# Altium PCB Copy of drac_v3.PcbDoc (part 1 of 5) (continued)
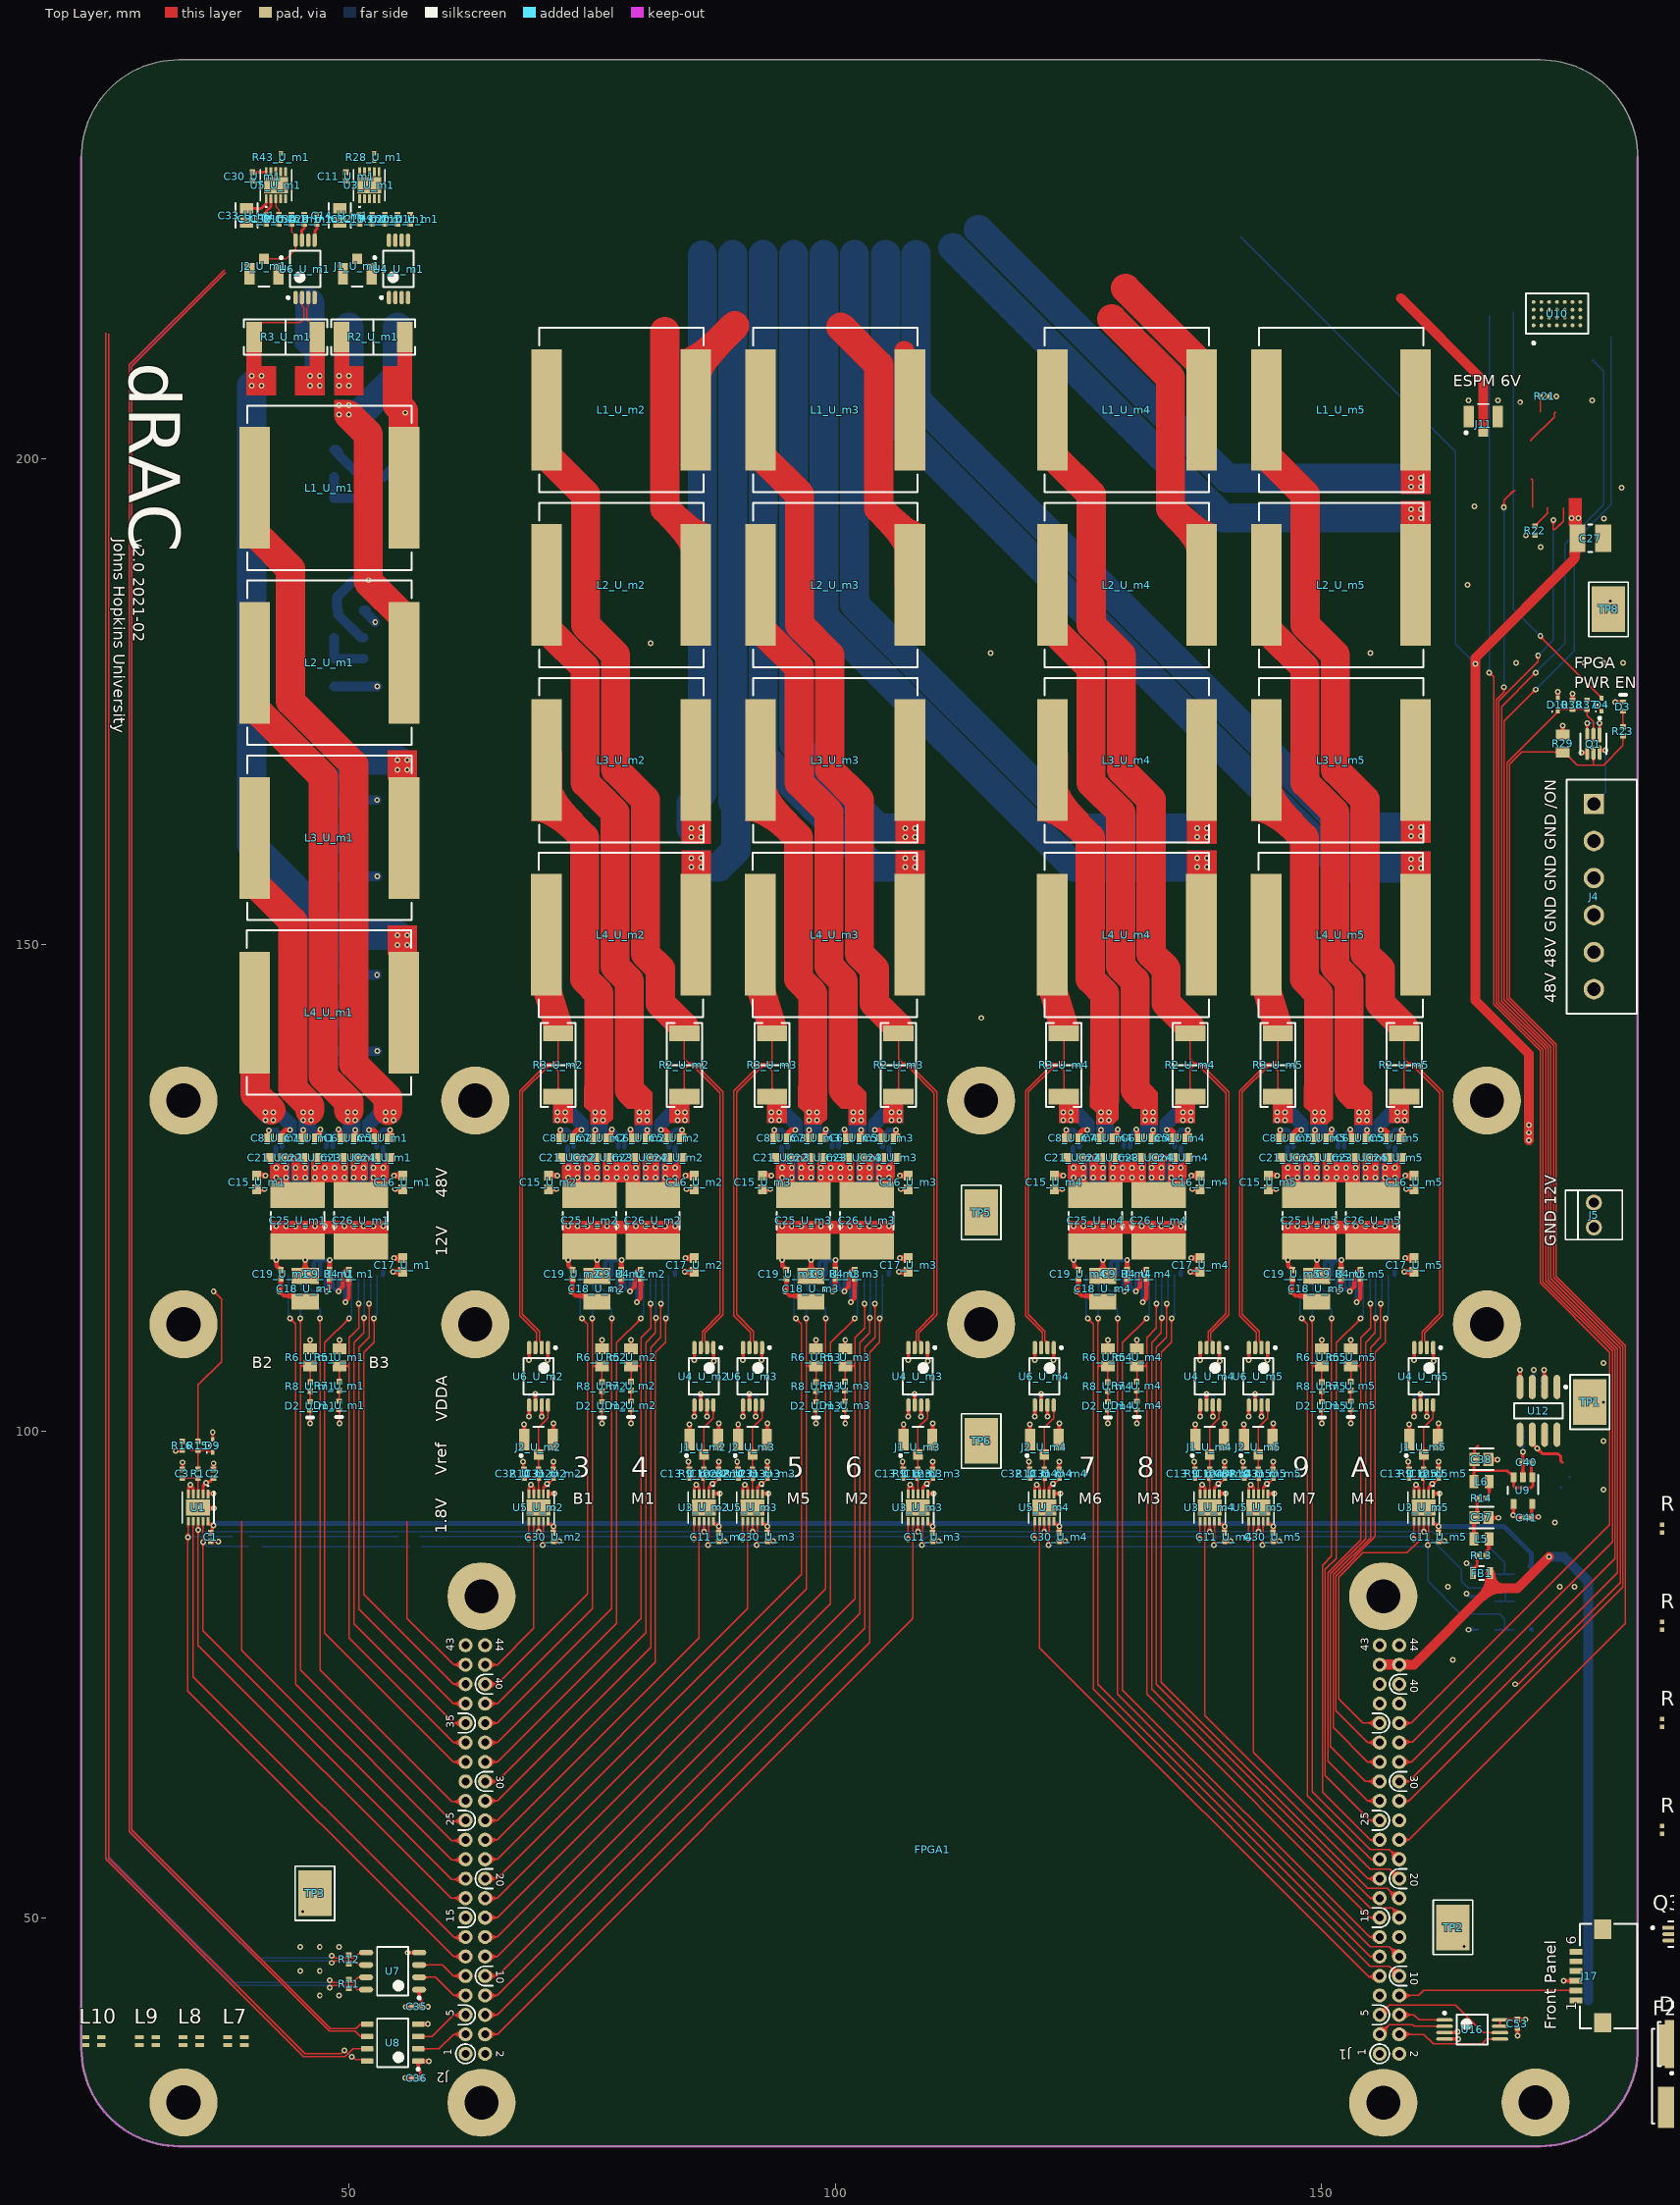
[diagram p0: Top Layer view]
## Components (designator, comment, footprint, x,y, rotation, side; value= is the part's Value field where it differs from the comment) (continued)
C30_U_m5 "0.1µF" FP-GRM155-0_05-IPC_B 145,89.13 r270 top (schematic designator C30)
C31_U_m1 "0.1µF" FP-GRM155-0_05-IPC_B 41.5,224.6 r270 top (schematic designator C31)
C31_U_m2 "0.1µF" FP-GRM155-0_05-IPC_B 71,95.648 r90 top (schematic designator C31)
C31_U_m3 "0.1µF" FP-GRM155-0_05-IPC_B 93,95.648 r90 top (schematic designator C31)
C31_U_m4 "0.1µF" FP-GRM155-0_05-IPC_B 123,95.648 r90 top (schematic designator C31)
C31_U_m5 "0.1µF" FP-GRM155-0_05-IPC_B 145,95.648 r90 top (schematic designator C31)
C32_U_m1 "0.1µF" FP-GRM155-0_05-IPC_B 42.8,224.6 r270 top (schematic designator C32)
C32_U_m2 "0.1µF" FP-GRM155-0_05-IPC_B 68,95.648 r90 top (schematic designator C32)
C32_U_m3 "0.1µF" FP-GRM155-0_05-IPC_B 90,95.648 r90 top (schematic designator C32)
C32_U_m4 "0.1µF" FP-GRM155-0_05-IPC_B 120,95.648 r90 top (schematic designator C32)
C32_U_m5 "0.1µF" FP-GRM155-0_05-IPC_B 142,95.648 r90 top (schematic designator C32)
C33_U_m1 "CL21B106KQQNNNG" FP-CL21-IPC_C 39.47,225 r270 top (schematic designator C33)
C33_U_m2 "CL21B106KQQNNNG" FP-CL21-IPC_C 70,92.148 r270 bottom (schematic designator C33)
C33_U_m3 "CL21B106KQQNNNG" FP-CL21-IPC_C 92,92.148 r270 bottom (schematic designator C33)
C33_U_m4 "CL21B106KQQNNNG" FP-CL21-IPC_C 122,92.148 r270 bottom (schematic designator C33)
C33_U_m5 "CL21B106KQQNNNG" FP-CL21-IPC_C 144,92.148 r270 bottom (schematic designator C33)
C34_U_m1 "0.1µF" FP-GRM155-0_05-IPC_B 45.4,224.6 r90 top (schematic designator C34)
C34_U_m2 "0.1µF" FP-GRM155-0_05-IPC_B 70,103.148 r90 bottom (schematic designator C34)
C34_U_m3 "0.1µF" FP-GRM155-0_05-IPC_B 92,103.148 r90 bottom (schematic designator C34)
C34_U_m4 "0.1µF" FP-GRM155-0_05-IPC_B 122,103.148 r90 bottom (schematic designator C34)
C34_U_m5 "0.1µF" FP-GRM155-0_05-IPC_B 144,103.148 r90 bottom (schematic designator C34)
C35 "0.1µF" FP-GRM155-0_05-IPC_B 57,40.843 r0 top
C36 "0.1µF" FP-GRM155-0_05-IPC_B 57,33.5 r0 top
C37 "CL21B106KQQNNNG" FP-CL21-IPC_C 166.447,91.125 r0 top
C38 "CL21B106KQQNNNG" FP-CL21-IPC_C 166.447,97.124 r0 top
C39_U_m1 "12061C225KAT2A" CAPC3216X180X50NL20T25 51.5,183 r270 bottom (schematic designator C39)
C39_U_m2 "12061C225KAT2A" CAPC3216X180X50NL20T25 333,58 r90 top (schematic designator C39)
C39_U_m3 "12061C225KAT2A" CAPC3216X180X50NL20T25 333,68 r90 top (schematic designator C39)
C39_U_m4 "12061C225KAT2A" CAPC3216X180X50NL20T25 333,78 r90 top (schematic designator C39)
C39_U_m5 "12061C225KAT2A" CAPC3216X180X50NL20T25 333,89 r90 top (schematic designator C39)
C40 "1µF" FP-GRM155-0_05-IPC_B 171.1,96.8 r0 top
C41 "1µF" FP-GRM155-0_05-IPC_B 171.1,91.123 r0 top
C42_U_m1 "12061C225KAT2A" CAPC3216X180X50NL20T25 51.5,163.5 r270 bottom (schematic designator C42)
C42_U_m2 "12061C225KAT2A" CAPC3216X180X50NL20T25 346,58 r90 top (schematic designator C42)
C42_U_m3 "12061C225KAT2A" CAPC3216X180X50NL20T25 346,68 r90 top (schematic designator C42)
C42_U_m4 "12061C225KAT2A" CAPC3216X180X50NL20T25 346,78 r90 top (schematic designator C42)
C42_U_m5 "12061C225KAT2A" CAPC3216X180X50NL20T25 346,89 r90 top (schematic designator C42)
C43_U_m1 "12061C225KAT2A" CAPC3216X180X50NL20T25 51.5,145.5 r270 bottom (schematic designator C43)
C43_U_m2 "12061C225KAT2A" CAPC3216X180X50NL20T25 360,58 r90 top (schematic designator C43)
C43_U_m3 "12061C225KAT2A" CAPC3216X180X50NL20T25 360,68 r90 top (schematic designator C43)
C43_U_m4 "12061C225KAT2A" CAPC3216X180X50NL20T25 360,78 r90 top (schematic designator C43)
C43_U_m5 "12061C225KAT2A" CAPC3216X180X50NL20T25 360,89 r90 top (schematic designator C43)
C44_U_m1 "12061C105KAT2A" CAPC3216X180X50NL20T25 48.5,199.5 r270 bottom (schematic designator C44)
C44_U_m2 "12061C105KAT2A" CAPC3216X180X50NL20T25 373,58 r90 top (schematic designator C44)
C44_U_m3 "12061C105KAT2A" CAPC3216X180X50NL20T25 373,68 r90 top (schematic designator C44)
C44_U_m4 "12061C105KAT2A" CAPC3216X180X50NL20T25 373,79 r90 top (schematic designator C44)
C44_U_m5 "12061C105KAT2A" CAPC3216X180X50NL20T25 373,89 r90 top (schematic designator C44)
C45_U_m1 "12061C105KAT2A" CAPC3216X180X50NL20T25 48.5,183 r270 bottom (schematic designator C45)
C45_U_m2 "12061C105KAT2A" CAPC3216X180X50NL20T25 386,58 r90 top (schematic designator C45)
C45_U_m3 "12061C105KAT2A" CAPC3216X180X50NL20T25 386,68 r90 top (schematic designator C45)
C45_U_m4 "12061C105KAT2A" CAPC3216X180X50NL20T25 386,79 r90 top (schematic designator C45)
C45_U_m5 "12061C105KAT2A" CAPC3216X180X50NL20T25 386,89 r90 top (schematic designator C45)
C46_U_m1 "12061C105KAT2A" CAPC3216X180X50NL20T25 48.5,163.5 r270 bottom (schematic designator C46)
C46_U_m2 "12061C105KAT2A" CAPC3216X180X50NL20T25 400,58 r90 top (schematic designator C46)
C46_U_m3 "12061C105KAT2A" CAPC3216X180X50NL20T25 400,68 r90 top (schematic designator C46)
C46_U_m4 "12061C105KAT2A" CAPC3216X180X50NL20T25 400,79 r90 top (schematic designator C46)
C46_U_m5 "12061C105KAT2A" CAPC3216X180X50NL20T25 400,89 r90 top (schematic designator C46)
C47 "1µF" FP-GRM155-0_05-IPC_B 172.3,104.2 r0 bottom
C48_U_m1 "12061C105KAT2A" CAPC3216X180X50NL20T25 48.5,145.5 r270 bottom (schematic designator C48)
C48_U_m2 "12061C105KAT2A" CAPC3216X180X50NL20T25 413,58 r90 top (schematic designator C48)
C48_U_m3 "12061C105KAT2A" CAPC3216X180X50NL20T25 413,68 r90 top (schematic designator C48)
C48_U_m4 "12061C105KAT2A" CAPC3216X180X50NL20T25 413,79 r90 top (schematic designator C48)
C48_U_m5 "12061C105KAT2A" CAPC3216X180X50NL20T25 413,89 r90 top (schematic designator C48)
C49 "1µF" FP-GRM155-0_05-IPC_B 171.1,99.098 r0 bottom
C50 "CL32B226MOJNNNE" FP-CL32-IPC_B 171.1,100.4 r0 bottom
C53 "0.1µF" FP-GRM155-0_05-IPC_B 170.133,39.093 r270 top
D1_U_m1 "LED_0402" ROHM-SML-P11MT_V 49,102.648 r270 top (schematic designator D1)
D1_U_m2 "LED_0402" ROHM-SML-P11MT_V 79,102.648 r270 top (schematic designator D1)
D1_U_m3 "LED_0402" ROHM-SML-P11MT_V 101,102.648 r270 top (schematic designator D1)
D1_U_m4 "LED_0402" ROHM-SML-P11MT_V 131,102.648 r270 top (schematic designator D1)
D1_U_m5 "LED_0402" ROHM-SML-P11MT_V 153,102.648 r270 top (schematic designator D1)
D2_U_m1 "LED_0402" ROHM-SML-P11MT_V 46.025,102.598 r270 top (schematic designator D2)
D2_U_m2 "LED_0402" ROHM-SML-P11MT_V 76.025,102.598 r270 top (schematic designator D2)
D2_U_m3 "LED_0402" ROHM-SML-P11MT_V 98.025,102.598 r270 top (schematic designator D2)
D2_U_m4 "LED_0402" ROHM-SML-P11MT_V 128.025,102.598 r270 top (schematic designator D2)
D2_U_m5 "LED_0402" ROHM-SML-P11MT_V 150.025,102.598 r270 top (schematic designator D2)
D3 "LED_0402" ROHM-SML-P11MT_V 181,174.5 r90 top
D4 "ESD5Z3.3T1G" ONSC-SOD-523-2-502-01_V 178.8,174.7 r90 top
D5 "1SMC48AT3G" ONSC-SMC-2-403-03_V 192,35 r90 top
D6 "SMAJ7.0A-E3/61" VISH-DO-214AC-2_L 186,37 r90 top
D9 "ESD5Z3.3T1G" ONSC-SOD-523-2-502-01_V 36,98.5 r90 top
D10 "ESD5Z3.3T1G" ONSC-SOD-523-2-502-01_V 174.3,174.7 r90 top
D11 "ESD5Z3.3T1G" ONSC-SOD-523-2-502-01_V 169.5,294.4 r180 top
D12 "LTST-S270KGKT" FP-LTST-S270KGKT-MFG 142,317.5 r180 bottom
D13 "LTST-S270KGKT" FP-LTST-S270KGKT-MFG 151.858,317.5 r180 bottom
D14 "LTST-S270KGKT" FP-LTST-S270KGKT-MFG 157.085,317.5 r180 bottom
D15 "LTST-S270KGKT" FP-LTST-S270KGKT-MFG 162,317.5 r180 bottom
F1 "0154007.DRT" FP-0154-MFG 193.2,33.7 r90 top
F2 "0154007.DRT" FP-0154-MFG 186.5,33.7 r90 top
FB1 "BLM21AG102SN1D" FP-BLM21-0_2-t0_85-e0_5-MFG 166.447,85.424 r180 top
FPGA1 "Connect to FireWire FPGA" FPGA-dummy 156.345,83.035 r180 top
J1_U_m1 "1909763-1" TECO-1909763-1_V 50.873,219 r180 top (schematic designator J1)
J1_U_m2 "1909763-1" TECO-1909763-1_V 86.5,99.148 r0 top (schematic designator J1)
J1_U_m3 "1909763-1" TECO-1909763-1_V 108.5,99.148 r0 top (schematic designator J1)
J1_U_m4 "1909763-1" TECO-1909763-1_V 138.5,99.148 r0 top (schematic designator J1)
J1_U_m5 "1909763-1" TECO-1909763-1_V 160.5,99.148 r0 top (schematic designator J1)
J2_U_m1 "1909763-1" TECO-1909763-1_V 41.273,219 r180 top (schematic designator J2)
J2_U_m2 "1909763-1" TECO-1909763-1_V 69.5,99.148 r0 top (schematic designator J2)
J2_U_m3 "1909763-1" TECO-1909763-1_V 91.5,99.148 r0 top (schematic designator J2)
J2_U_m4 "1909763-1" TECO-1909763-1_V 121.5,99.148 r0 top (schematic designator J2)
J2_U_m5 "1909763-1" TECO-1909763-1_V 143.5,99.148 r0 top (schematic designator J2)
J3 "15p, Female" 618015325223 54.82,307.04 r180 top
J4 "691321300006" 691321300006 178.8,154.975 r270 top
J5 "Substitute with tyco 640457-2" HDR-2x1-100 178,122.23 r270 top
J6 "1909763-1" TECO-1909763-1_V 15.816,122.355 r180 top
J7 "1909763-1" TECO-1909763-1_V 15.816,116.355 r180 top
J8 "1909763-1" TECO-1909763-1_V 15.816,99.855 r180 top
J9 "1909763-1" TECO-1909763-1_V 15.816,93.855 r180 top
J10 "1909763-1" TECO-1909763-1_V 15.816,87.855 r180 top
J11 "1909763-1" TECO-1909763-1_V 166.631,204.307 r0 top
J16 "26p, Female" 618026325223 104.63,307.04 r180 top
J17 "686106148922" 686106148922 179.5,44 r90 top
L1_U_m1 "" SRP1770TA 48,197 r0 top value=100nH (schematic designator L1)
L1_U_m2 "" SRP1770TA 78,205 r0 top value=100nH (schematic designator L1)
L1_U_m3 "" SRP1770TA 100,205 r0 top value=100nH (schematic designator L1)
L1_U_m4 "" SRP1770TA 130,205 r0 top value=100nH (schematic designator L1)
L1_U_m5 "" SRP1770TA 152,205 r0 top value=100nH (schematic designator L1)
L2_U_m1 "" SRP1770TA 48,179 r0 top value=100nH (schematic designator L2)
L2_U_m2 "" SRP1770TA 78,187 r0 top value=100nH (schematic designator L2)
L2_U_m3 "" SRP1770TA 100,187 r0 top value=100nH (schematic designator L2)
L2_U_m4 "" SRP1770TA 130,187 r0 top value=100nH (schematic designator L2)
L2_U_m5 "" SRP1770TA 152,187 r0 top value=100nH (schematic designator L2)
L3_U_m1 "" SRP1770TA 48,161 r0 top value=100nH (schematic designator L3)
L3_U_m2 "" SRP1770TA 78,169 r0 top value=100nH (schematic designator L3)
L3_U_m3 "" SRP1770TA 100,169 r0 top value=100nH (schematic designator L3)
L3_U_m4 "" SRP1770TA 130,169 r0 top value=100nH (schematic designator L3)
L3_U_m5 "" SRP1770TA 152,169 r0 top value=100nH (schematic designator L3)
L4_U_m1 "" SRP1770TA 47.975,143.05 r0 top value=100nH (schematic designator L4)
L4_U_m2 "" SRP1770TA 77.975,151.05 r0 top value=100nH (schematic designator L4)
L4_U_m3 "" SRP1770TA 99.975,151.05 r0 top value=100nH (schematic designator L4)
L4_U_m4 "" SRP1770TA 129.975,151.05 r0 top value=100nH (schematic designator L4)
L4_U_m5 "" SRP1770TA 151.975,151.05 r0 top value=100nH (schematic designator L4)
L5 "LQM21PN1R0MC0D" MURA-IND0805_H_0.55_L 166.447,88.924 r180 top
L6 "LQM21PN1R0MC0D" MURA-IND0805_H_0.55_L 166.447,94.824 r180 top
L7 "744231371" WE-CNSW-0805 38.4,37.3 r0 top
L8 "744231371" WE-CNSW-0805 33.8,37.3 r0 top
L9 "744231371" WE-CNSW-0805 29.3,37.3 r0 top
L10 "744231371" WE-CNSW-0805 23.7,37.3 r0 top
P1 "691331510010" 691331510010 151.84,309.3 r180 top
P2 "22-23-2031" MOLX-22-23-2031_V 195,46.7 r0 top
Q1 "DMN3190LDW-7" FP-SOT363-IPC_A 177.95,170.667 r270 top
Q2 "DMN3190LDW-7" FP-SOT363-IPC_A 169.5,291.9 r0 top
Q3 "DMN3190LDW-7" FP-SOT363-IPC_A 186.7,48.3 r0 top
R1 "CRCW04020000Z0ED" FP-CRCW0402-e3-IPC_B 34.5,95.648 r90 top value=0
R2_U_m1 "10 mOhms" "STACKPOLE CSR2512" 52.5,212.5 r180 top (schematic designator R2)
R2_U_m2 "10 mOhms" "STACKPOLE CSR2512" 84.5,137.648 r90 top (schematic designator R2)
R2_U_m3 "10 mOhms" "STACKPOLE CSR2512" 106.5,137.648 r90 top (schematic designator R2)
R2_U_m4 "10 mOhms" "STACKPOLE CSR2512" 136.5,137.648 r90 top (schematic designator R2)
R2_U_m5 "10 mOhms" "STACKPOLE CSR2512" 158.5,137.648 r90 top (schematic designator R2)
R3_U_m1 "10 mOhms" "STACKPOLE CSR2512" 43.5,212.5 r0 top (schematic designator R3)
R3_U_m2 "10 mOhms" "STACKPOLE CSR2512" 71.5,137.648 r90 top (schematic designator R3)
R3_U_m3 "10 mOhms" "STACKPOLE CSR2512" 93.5,137.648 r90 top (schematic designator R3)
R3_U_m4 "10 mOhms" "STACKPOLE CSR2512" 123.5,137.648 r90 top (schematic designator R3)
R3_U_m5 "10 mOhms" "STACKPOLE CSR2512" 145.5,137.648 r90 top (schematic designator R3)
R4_U_m1 "Res_0402" FP-CRCW0402-e3-IPC_B 50,116.148 r90 top value=27k (schematic designator R4)
R4_U_m2 "Res_0402" FP-CRCW0402-e3-IPC_B 80,116.148 r90 top value=27k (schematic designator R4)
R4_U_m3 "Res_0402" FP-CRCW0402-e3-IPC_B 102,116.148 r90 top value=27k (schematic designator R4)
R4_U_m4 "Res_0402" FP-CRCW0402-e3-IPC_B 132,116.148 r90 top value=27k (schematic designator R4)
R4_U_m5 "Res_0402" FP-CRCW0402-e3-IPC_B 154,116.148 r90 top value=27k (schematic designator R4)
R5_U_m1 "Res_0805" FP-CRCW0805-HPe3-IPC_B 49.025,107.598 r270 top value=1k (schematic designator R5)
R5_U_m2 "Res_0805" FP-CRCW0805-HPe3-IPC_B 79.025,107.598 r270 top value=1k (schematic designator R5)
R5_U_m3 "Res_0805" FP-CRCW0805-HPe3-IPC_B 101.025,107.598 r270 top value=1k (schematic designator R5)
R5_U_m4 "Res_0805" FP-CRCW0805-HPe3-IPC_B 131.025,107.598 r270 top value=1k (schematic designator R5)
R5_U_m5 "Res_0805" FP-CRCW0805-HPe3-IPC_B 153.025,107.598 r270 top value=1k (schematic designator R5)
R6_U_m1 "Res_0805" FP-CRCW0805-HPe3-IPC_B 46.025,107.598 r270 top value=1k (schematic designator R6)
R6_U_m2 "Res_0805" FP-CRCW0805-HPe3-IPC_B 76.025,107.598 r270 top value=1k (schematic designator R6)
R6_U_m3 "Res_0805" FP-CRCW0805-HPe3-IPC_B 98.025,107.598 r270 top value=1k (schematic designator R6)
R6_U_m4 "Res_0805" FP-CRCW0805-HPe3-IPC_B 128.025,107.598 r270 top value=1k (schematic designator R6)
R6_U_m5 "Res_0805" FP-CRCW0805-HPe3-IPC_B 150.025,107.598 r270 top value=1k (schematic designator R6)
R7_U_m1 "Res_0402" FP-CRCW0402-e3-IPC_B 49,104.648 r90 top value=2.4K (schematic designator R7)
R7_U_m2 "Res_0402" FP-CRCW0402-e3-IPC_B 79,104.648 r90 top value=2.4K (schematic designator R7)
R7_U_m3 "Res_0402" FP-CRCW0402-e3-IPC_B 101,104.648 r90 top value=2.4K (schematic designator R7)
R7_U_m4 "Res_0402" FP-CRCW0402-e3-IPC_B 131,104.648 r90 top value=2.4K (schematic designator R7)
R7_U_m5 "Res_0402" FP-CRCW0402-e3-IPC_B 153,104.648 r90 top value=2.4K (schematic designator R7)
R8_U_m1 "Res_0402" FP-CRCW0402-e3-IPC_B 46.025,104.598 r90 top value=2.4K (schematic designator R8)
R8_U_m2 "Res_0402" FP-CRCW0402-e3-IPC_B 76.025,104.598 r90 top value=2.4K (schematic designator R8)
R8_U_m3 "Res_0402" FP-CRCW0402-e3-IPC_B 98.025,104.598 r90 top value=2.4K (schematic designator R8)
R8_U_m4 "Res_0402" FP-CRCW0402-e3-IPC_B 128.025,104.598 r90 top value=2.4K (schematic designator R8)
R8_U_m5 "Res_0402" FP-CRCW0402-e3-IPC_B 150.025,104.598 r90 top value=2.4K (schematic designator R8)
R9_U_m1 "CRCW04020000Z0ED" FP-CRCW0402-e3-IPC_B 53.7,224.6 r270 top value=0 (schematic designator R9)
R9_U_m2 "CRCW04020000Z0ED" FP-CRCW0402-e3-IPC_B 86.5,95.648 r90 top value=0 (schematic designator R9)
R9_U_m3 "CRCW04020000Z0ED" FP-CRCW0402-e3-IPC_B 108.5,95.648 r90 top value=0 (schematic designator R9)
R9_U_m4 "CRCW04020000Z0ED" FP-CRCW0402-e3-IPC_B 138.5,95.648 r90 top value=0 (schematic designator R9)
R9_U_m5 "CRCW04020000Z0ED" FP-CRCW0402-e3-IPC_B 160.5,95.648 r90 top value=0 (schematic designator R9)
R10_U_m1 "CRCW04020000Z0ED" FP-CRCW0402-e3-IPC_B 44.1,224.6 r270 top value=0 (schematic designator R10)
R10_U_m2 "CRCW04020000Z0ED" FP-CRCW0402-e3-IPC_B 69.5,95.648 r90 top value=0 (schematic designator R10)
R10_U_m3 "CRCW04020000Z0ED" FP-CRCW0402-e3-IPC_B 91.5,95.648 r90 top value=0 (schematic designator R10)
R10_U_m4 "CRCW04020000Z0ED" FP-CRCW0402-e3-IPC_B 121.5,95.648 r90 top value=0 (schematic designator R10)
R10_U_m5 "CRCW04020000Z0ED" FP-CRCW0402-e3-IPC_B 143.5,95.648 r90 top value=0 (schematic designator R10)
R11 "Res_0402" FP-CRCW0402-e3-IPC_B 50,43.181 r270 top value=DNP
R12 "Res_0402" FP-CRCW0402-e3-IPC_B 50,45.713 r270 top value=DNP
R13 "Res_0402" FP-CRCW0402-e3-IPC_B 166.447,87.224 r0 top value=1
R14 "Res_0402" FP-CRCW0402-e3-IPC_B 166.447,93.124 r0 top value=1
R15 "Res_0402" FP-CRCW0402-e3-IPC_B 34.5,98.5 r90 top value=200k
R16 "Res_0402" FP-CRCW0402-e3-IPC_B 32.866,98.5 r90 top value=10k
R17_U_m1 "ERJ-8RQF8R2V" RESC3216X70X50NL05T20 51.5,194.5 r270 bottom (schematic designator R17)
R17_U_m2 "ERJ-8RQF8R2V" RESC3216X70X50NL05T20 212,58 r90 top (schematic designator R17)
R17_U_m3 "ERJ-8RQF8R2V" RESC3216X70X50NL05T20 212,68 r90 top (schematic designator R17)
R17_U_m4 "ERJ-8RQF8R2V" RESC3216X70X50NL05T20 212,78 r90 top (schematic designator R17)
R17_U_m5 "ERJ-8RQF8R2V" RESC3216X70X50NL05T20 212,89 r90 top (schematic designator R17)
R18_U_m1 "ERJ-8RQF8R2V" RESC3216X70X50NL05T20 48.5,194.5 r270 bottom (schematic designator R18)
R18_U_m2 "ERJ-8RQF8R2V" RESC3216X70X50NL05T20 226,58 r90 top (schematic designator R18)
R18_U_m3 "ERJ-8RQF8R2V" RESC3216X70X50NL05T20 226,68 r90 top (schematic designator R18)
R18_U_m4 "ERJ-8RQF8R2V" RESC3216X70X50NL05T20 226,78 r90 top (schematic designator R18)
R18_U_m5 "ERJ-8RQF8R2V" RESC3216X70X50NL05T20 226,89 r90 top (schematic designator R18)
R19_U_m1 "ERJ-8RQF8R2V" RESC3216X70X50NL05T20 51.5,178 r270 bottom (schematic designator R19)
R19_U_m2 "ERJ-8RQF8R2V" RESC3216X70X50NL05T20 239,58 r90 top (schematic designator R19)
R19_U_m3 "ERJ-8RQF8R2V" RESC3216X70X50NL05T20 239,68 r90 top (schematic designator R19)
R19_U_m4 "ERJ-8RQF8R2V" RESC3216X70X50NL05T20 239,78 r90 top (schematic designator R19)
R19_U_m5 "ERJ-8RQF8R2V" RESC3216X70X50NL05T20 239,89 r90 top (schematic designator R19)
R20_U_m1 "ERJ-8RQF8R2V" RESC3216X70X50NL05T20 48.5,178 r270 bottom (schematic designator R20)
R20_U_m2 "ERJ-8RQF8R2V" RESC3216X70X50NL05T20 252,58 r90 top (schematic designator R20)
R20_U_m3 "ERJ-8RQF8R2V" RESC3216X70X50NL05T20 252,68 r90 top (schematic designator R20)
R20_U_m4 "ERJ-8RQF8R2V" RESC3216X70X50NL05T20 252,78 r90 top (schematic designator R20)
R20_U_m5 "ERJ-8RQF8R2V" RESC3216X70X50NL05T20 252,89 r90 top (schematic designator R20)
R21 "Res_0402" FP-CRCW0402-e3-IPC_B 172.931,206.407 r0 top value=33.2k
R22 "Res_0402" FP-CRCW0402-e3-IPC_B 171.931,192.607 r270 top value=20.5k
R23 "Res_0402" FP-CRCW0402-e3-IPC_B 181,171.952 r270 top value=2.4K
R24_U_m1 "ERJ-8RQF8R2V" RESC3216X70X50NL05T20 51.5,158.5 r270 bottom (schematic designator R24)
R24_U_m2 "ERJ-8RQF8R2V" RESC3216X70X50NL05T20 265,58 r90 top (schematic designator R24)
R24_U_m3 "ERJ-8RQF8R2V" RESC3216X70X50NL05T20 265,68 r90 top (schematic designator R24)
R24_U_m4 "ERJ-8RQF8R2V" RESC3216X70X50NL05T20 265,78 r90 top (schematic designator R24)
R24_U_m5 "ERJ-8RQF8R2V" RESC3216X70X50NL05T20 265,89 r90 top (schematic designator R24)
R25_U_m1 "ERJ-8RQF8R2V" RESC3216X70X50NL05T20 48.5,158.5 r270 bottom (schematic designator R25)
R25_U_m2 "ERJ-8RQF8R2V" RESC3216X70X50NL05T20 279,58 r90 top (schematic designator R25)
R25_U_m3 "ERJ-8RQF8R2V" RESC3216X70X50NL05T20 279,68 r90 top (schematic designator R25)
R25_U_m4 "ERJ-8RQF8R2V" RESC3216X70X50NL05T20 279,78 r90 top (schematic designator R25)
R25_U_m5 "ERJ-8RQF8R2V" RESC3216X70X50NL05T20 279,89 r90 top (schematic designator R25)
R26_U_m1 "ERJ-8RQF8R2V" RESC3216X70X50NL05T20 51.5,140.5 r270 bottom (schematic designator R26)
R26_U_m2 "ERJ-8RQF8R2V" RESC3216X70X50NL05T20 292,58 r90 top (schematic designator R26)
R26_U_m3 "ERJ-8RQF8R2V" RESC3216X70X50NL05T20 292,68 r90 top (schematic designator R26)
R26_U_m4 "ERJ-8RQF8R2V" RESC3216X70X50NL05T20 292,78 r90 top (schematic designator R26)
R26_U_m5 "ERJ-8RQF8R2V" RESC3216X70X50NL05T20 292,89 r90 top (schematic designator R26)
R27_U_m1 "ERJ-8RQF8R2V" RESC3216X70X50NL05T20 48.5,140.5 r270 bottom (schematic designator R27)
R27_U_m2 "ERJ-8RQF8R2V" RESC3216X70X50NL05T20 306,58 r90 top (schematic designator R27)
R27_U_m3 "ERJ-8RQF8R2V" RESC3216X70X50NL05T20 306,68 r90 top (schematic designator R27)
R27_U_m4 "ERJ-8RQF8R2V" RESC3216X70X50NL05T20 306,78 r90 top (schematic designator R27)
R27_U_m5 "ERJ-8RQF8R2V" RESC3216X70X50NL05T20 306,89 r90 top (schematic designator R27)
R28_U_m1 "ERJ2RKF33R0X" RESC1005X40X25LL05T05 52.6,231 r270 top (schematic designator R28)
R28_U_m2 "ERJ2RKF33R0X" RESC1005X40X25LL05T05 198,59 r90 top (schematic designator R28)
R28_U_m3 "ERJ2RKF33R0X" RESC1005X40X25LL05T05 198,70 r90 top (schematic designator R28)
R28_U_m4 "ERJ2RKF33R0X" RESC1005X40X25LL05T05 198,80 r90 top (schematic designator R28)
R28_U_m5 "ERJ2RKF33R0X" RESC1005X40X25LL05T05 198,90 r90 top (schematic designator R28)
R29 "Res_0805" FP-CRCW0805-HPe3-IPC_B 174.8,170.7 r270 top value=1K
R30 "Res_0805" FP-CRCW0805-HPe3-IPC_B 169.5,296.081 r180 top value=1K
R31 "Res_0805" FP-CRCW0805-HPe3-IPC_B 170.731,82.5 r0 bottom value=100
R32 "Res_0805" FP-CRCW0805-HPe3-IPC_B 170.709,85.29 r0 bottom value=100
R33 "Res_0805" FP-CRCW0805-HPe3-IPC_B 170.7,79.6 r0 bottom value=100
R34 "Res_0805" FP-CRCW0805-HPe3-IPC_B 166.931,82.5 r0 bottom value=100
R35 "Res_0805" FP-CRCW0805-HPe3-IPC_B 166.909,85.29 r0 bottom value=100
R36 "Res_0805" FP-CRCW0805-HPe3-IPC_B 166.9,79.6 r0 bottom value=100
R37 "Res_0402" FP-CRCW0402-e3-IPC_B 177.3,174.7 r90 top value=270k
R38 "Res_0402" FP-CRCW0402-e3-IPC_B 175.8,174.7 r270 top value=100k
R39 "Res_0402" FP-CRCW0402-e3-IPC_B 141,315 r270 bottom value=6.7k
R40 "Res_0402" FP-CRCW0402-e3-IPC_B 150.8,315 r270 bottom value=6.7k
R41 "Res_0402" FP-CRCW0402-e3-IPC_B 156,315 r270 bottom value=6.7k
R42 "Res_0402" FP-CRCW0402-e3-IPC_B 161,315 r270 bottom value=6.7k
R43_U_m1 "ERJ2RKF33R0X" RESC1005X40X25LL05T05 43,231 r270 top (schematic designator R43)
R43_U_m2 "ERJ2RKF33R0X" RESC1005X40X25LL05T05 185,59 r90 top (schematic designator R43)
R43_U_m3 "ERJ2RKF33R0X" RESC1005X40X25LL05T05 185,70 r90 top (schematic designator R43)
R43_U_m4 "ERJ2RKF33R0X" RESC1005X40X25LL05T05 185,80 r90 top (schematic designator R43)
R43_U_m5 "ERJ2RKF33R0X" RESC1005X40X25LL05T05 185,90 r90 top (schematic designator R43)
TP1 "5016" Testpoint_Keystone_Compact 177.578,103 r90 top
TP2 "5016" Testpoint_Keystone_Compact 163.5,49 r90 top
TP3 "5016" Testpoint_Keystone_Compact 46.5,52.5 r90 top
TP4 "5016" Testpoint_Keystone_Compact 115,142.5 r90 bottom
TP5 "5016" Testpoint_Keystone_Compact 115,122.5 r90 top
TP6 "5016" Testpoint_Keystone_Compact 115,99 r90 top
TP7 "5016" Testpoint_Keystone_Compact 131.5,315 r180 top
TP8 "5016" Testpoint_Keystone_Compact 179.5,184.5 r90 top
TP9 "5016" Testpoint_Keystone_Compact 164,76.323 r180 bottom
U1 "AD4008BCPZ-RL7" CP_10_9 34.5,92.148 r270 top value=Value
U2_U_m1 "DRV8432DKDR" DKD0036A_N 48,122.648 r90 bottom (schematic designator U2)
U2_U_m2 "DRV8432DKDR" DKD0036A_N 78,122.648 r90 bottom (schematic designator U2)
U2_U_m3 "DRV8432DKDR" DKD0036A_N 100,122.648 r90 bottom (schematic designator U2)
U2_U_m4 "DRV8432DKDR" DKD0036A_N 130,122.648 r90 bottom (schematic designator U2)
U2_U_m5 "DRV8432DKDR" DKD0036A_N 152,122.648 r90 bottom locked (schematic designator U2)
U3_U_m1 "AD4008BCPZ-RL7" CP_10_9 52.1,228.1 r90 top value=Value (schematic designator U3)
U3_U_m2 "AD4008BCPZ-RL7" CP_10_9 86.5,92.148 r270 top value=Value (schematic designator U3)
U3_U_m3 "AD4008BCPZ-RL7" CP_10_9 108.5,92.148 r270 top value=Value (schematic designator U3)
U3_U_m4 "AD4008BCPZ-RL7" CP_10_9 138.5,92.148 r270 top value=Value (schematic designator U3)
U3_U_m5 "AD4008BCPZ-RL7" CP_10_9 160.5,92.148 r270 top value=Value (schematic designator U3)
U4_U_m1 "INA240A1PW" PW0008A_N 55.1,219.5 r90 top (schematic designator U4)
U4_U_m2 "INA240A1PW" PW0008A_N 86.5,105.648 r270 top (schematic designator U4)
U4_U_m3 "INA240A1PW" PW0008A_N 108.5,105.648 r270 top (schematic designator U4)
U4_U_m4 "INA240A1PW" PW0008A_N 138.5,105.648 r270 top (schematic designator U4)
U4_U_m5 "INA240A1PW" PW0008A_N 160.5,105.648 r270 top (schematic designator U4)
U5_U_m1 "AD4008BCPZ-RL7" CP_10_9 42.5,228.1 r90 top value=Value (schematic designator U5)
U5_U_m2 "AD4008BCPZ-RL7" CP_10_9 69.5,92.148 r270 top value=Value (schematic designator U5)
U5_U_m3 "AD4008BCPZ-RL7" CP_10_9 91.5,92.148 r270 top value=Value (schematic designator U5)
U5_U_m4 "AD4008BCPZ-RL7" CP_10_9 121.5,92.148 r270 top value=Value (schematic designator U5)
U5_U_m5 "AD4008BCPZ-RL7" CP_10_9 143.5,92.148 r270 top value=Value (schematic designator U5)
U6_U_m1 "INA240A1PW" PW0008A_N 45.5,219.5 r90 top (schematic designator U6)
U6_U_m2 "INA240A1PW" PW0008A_N 69.5,105.648 r270 top (schematic designator U6)
U6_U_m3 "INA240A1PW" PW0008A_N 91.5,105.648 r270 top (schematic designator U6)
U6_U_m4 "INA240A1PW" PW0008A_N 121.5,105.648 r270 top (schematic designator U6)
U6_U_m5 "INA240A1PW" PW0008A_N 143.5,105.648 r270 top (schematic designator U6)
U7 "SN65LVDS34D" SOIC127P600X175-8N 54.5,44.5 r180 top
U8 "DS90LV027ATM/NOPB" D0008A_L 54.5,37.143 r180 top
U9 "LP5907MFX-1.8/NOPB" DBV0005A_N 170.7,93.9 r270 top
U10 "LTM8063EY#PBF" FP-BGA-28-05-08-1517-MFG 174.2,214.9 r90 top
U12 "ADR4540BRZ" ADI-R-8_M 172.3,102.1 r270 top
U15 "RELAY DPDT" FP-G6K-2G_DC5-MFG 176.5,295.4 r90 top
U16 "25AA128T-I/ST" TSSOP-ST8_N 165.5,38.5 r0 top

## Footprints (in the part's own frame and the unit in brackets; to place one, negate y for a bottom-side part, rotate by r counter-clockwise, add the part's x,y. Pads: shape width x height; smd on the part's side, far side on the other; paste and mask are expansions set on the pad)
618015325223 [mm]
  rect 1.5x1.5 hole 1: 1(4.32,2.54)
  round 1.5 hole 1: 2(2.03,2.54) 3(-0.26,2.54) 4(-2.55,2.54) 5(-4.84,2.54) 6(5.46,0) 7(3.17,0) 8(0.88,0) 9(-1.41,0) 10(-3.7,0) 11(4.32,-2.54) 12(2.03,-2.54) 13(-0.26,-2.54) 14(-2.55,-2.54) 15(-4.84,-2.54)
  round 4.8 hole 3.2: M1(-12.5,0) M2(12.5,0)
  silkscreen extent -15.4,-17.43 15.4,4.87, body extent -15.4,-17.43 15.4,4.87, height 12.75
618026325223 [mm]
  rect 1.5x1.5 hole 1: 1(8.63,2.54)
  round 1.5 hole 1: 2(6.34,2.54) 3(4.05,2.54) 4(1.76,2.54) 5(-0.53,2.54) 6(-2.82,2.54) 7(-5.11,2.54) 8(-7.4,2.54) 9(-9.69,2.54) 10(9.77,0) 11(7.48,0) 12(5.19,0) 13(2.9,0) 14(0.61,0) 15(-1.68,0) 16(-3.97,0) 17(-6.26,0) 18(-8.55,0) 19(8.63,-2.54) 20(6.34,-2.54) 21(4.05,-2.54) 22(1.76,-2.54) 23(-0.53,-2.54) 24(-2.82,-2.54) 25(-5.11,-2.54) 26(-7.4,-2.54)
  round 4.8 hole 3.2: M1(-16.65,0) M2(16.65,0)
  silkscreen extent -19.6,-17.43 19.6,4.87, body extent -19.6,-17.43 19.6,4.87, height 12.75
686106148922 [mm] "ZIF Connectors, Horizontal, Bottom Contact Hinge Type, pitch 1mm, 6p"
  rect 0.6x1.3 smd: 1(-2.5,3.35) 2(-1.5,3.35) 3(-0.5,3.35) 4(0.5,3.35) 5(1.5,3.35) 6(2.5,3.35)
  rect 2x1.8 smd: MP1(-4.8,0.6) MP2(4.8,0.6)
  silkscreen extent -5.38,-2.95 5.38,2.95, body extent -5.3,-2.9 5.3,3.6, height 2.27
691321300006 [mm] "Vertical PCB Header, pitch 3.81mm, 06p"
  rect 2.1x2.1 hole 1.4: 1(-9.525,-0.8)
  round 2.1 hole 1.4: 2(-5.715,-0.8) 3(-1.905,-0.8) 4(1.905,-0.8) 5(5.715,-0.8) 6(9.525,-0.8)
  silkscreen extent -12.02,-3.6 12.03,3.6, body extent -12.02,-3.6 12.02,3.6, height 9.25
691331510010 [mm] "5,08mm - PCB - Dual row - Horizontal - 10p"
  rect 2.4x2.4 hole 1.6: 1(-10.16,-1.2)
  round 2.4 hole 1.6: 2(-5.08,-1.2) 3(0,-1.2) 4(5.08,-1.2) 5(10.16,-1.2) 6(-10.16,9) 7(-5.08,9) 8(0,9) 9(5.08,9) 10(10.16,9)
  silkscreen extent -13.7,-11 13.7,11, body extent -13.7,-11 13.7,11, height 28.85
ADI-R-8_M [mm] "SOIC, 8-Leads, Body 4.9x3.9mm, Pitch 1.27mm, IPC Low Density"
  oval 2.5x0.7 smd: 1(-2.45,1.905) 2(-2.45,0.635) 3(-2.45,-0.635) 4(-2.45,-1.905) 5(2.45,-1.905) 6(2.45,-0.635) 7(2.45,0.635) 8(2.45,1.905)
  silkscreen extent -2.57,-2.5 0.8,2.93, body extent -2,-2.5 2,2.5, height 1.75
CAPC3216X180X50NL20T25 [mm] "Chip Capacitor, 2-Leads, Body 3.40x1.80mm, IPC Medium Density"
  rect 1.3x1.8 smd: 1(-1.4,0) 2(1.4,0)
  silkscreen extent -0.35,-0.8 0.35,0.8, body extent -1.7,-0.9 1.7,0.9, height 1.8
CP_10_9 [mm]
  rect 0.905x0.3 smd: 1(-1.402,1) 2(-1.402,0.5) 3(-1.402,0) 4(-1.402,-0.5) 5(-1.402,-1) 6(1.402,-1) 7(1.402,-0.5) 8(1.402,0) 9(1.402,0.5) 10(1.402,1)
  rect 1.64x2.48 smd paste-1.227: 11(0,0)
  silkscreen extent -2.28,-1.63 1.63,1.63, body extent -1.55,-1.5 1.55,1.5, height 0.75
D0008A_L [mm] "SOIC, 8-Leads, Body 5x4mm, Pitch 1.27mm, IPC High Density"
  rrect18% 1.25x0.55 smd: 1(-2.625,1.905) 2(-2.625,0.635) 3(-2.625,-0.635) 4(-2.625,-1.905) 5(2.625,-1.905) 6(2.625,-0.635) 7(2.625,0.635) 8(2.625,1.905)
  silkscreen extent -2.75,-2.5 1.6,2.85, body extent -3,-2.45 3,2.45, height 1.63
DBV0005A_N [mm]
  rrect17% 1x0.6 smd: 1(-1.375,0.95) 2(-1.375,0) 3(-1.375,-0.95) 4(1.375,-0.95) 5(1.375,0.95)
  silkscreen extent -1.63,-1.55 0.38,1.55, body extent -1.42,-1.46 1.42,1.46, height 1.09